# Altium PCB spin5v1_simple.PcbDoc (part 24 of 25)
Units mm, origin at the board's own origin, x right, y up, seen from the top; angles counter-clockwise.
Board outline 220.03 x 233.43 mm, 2 copper layers (TOP, BOTTOM), stack 0.176 mm thick; 1457 components, 4724 nets, 19245 pads, 25289 vias.
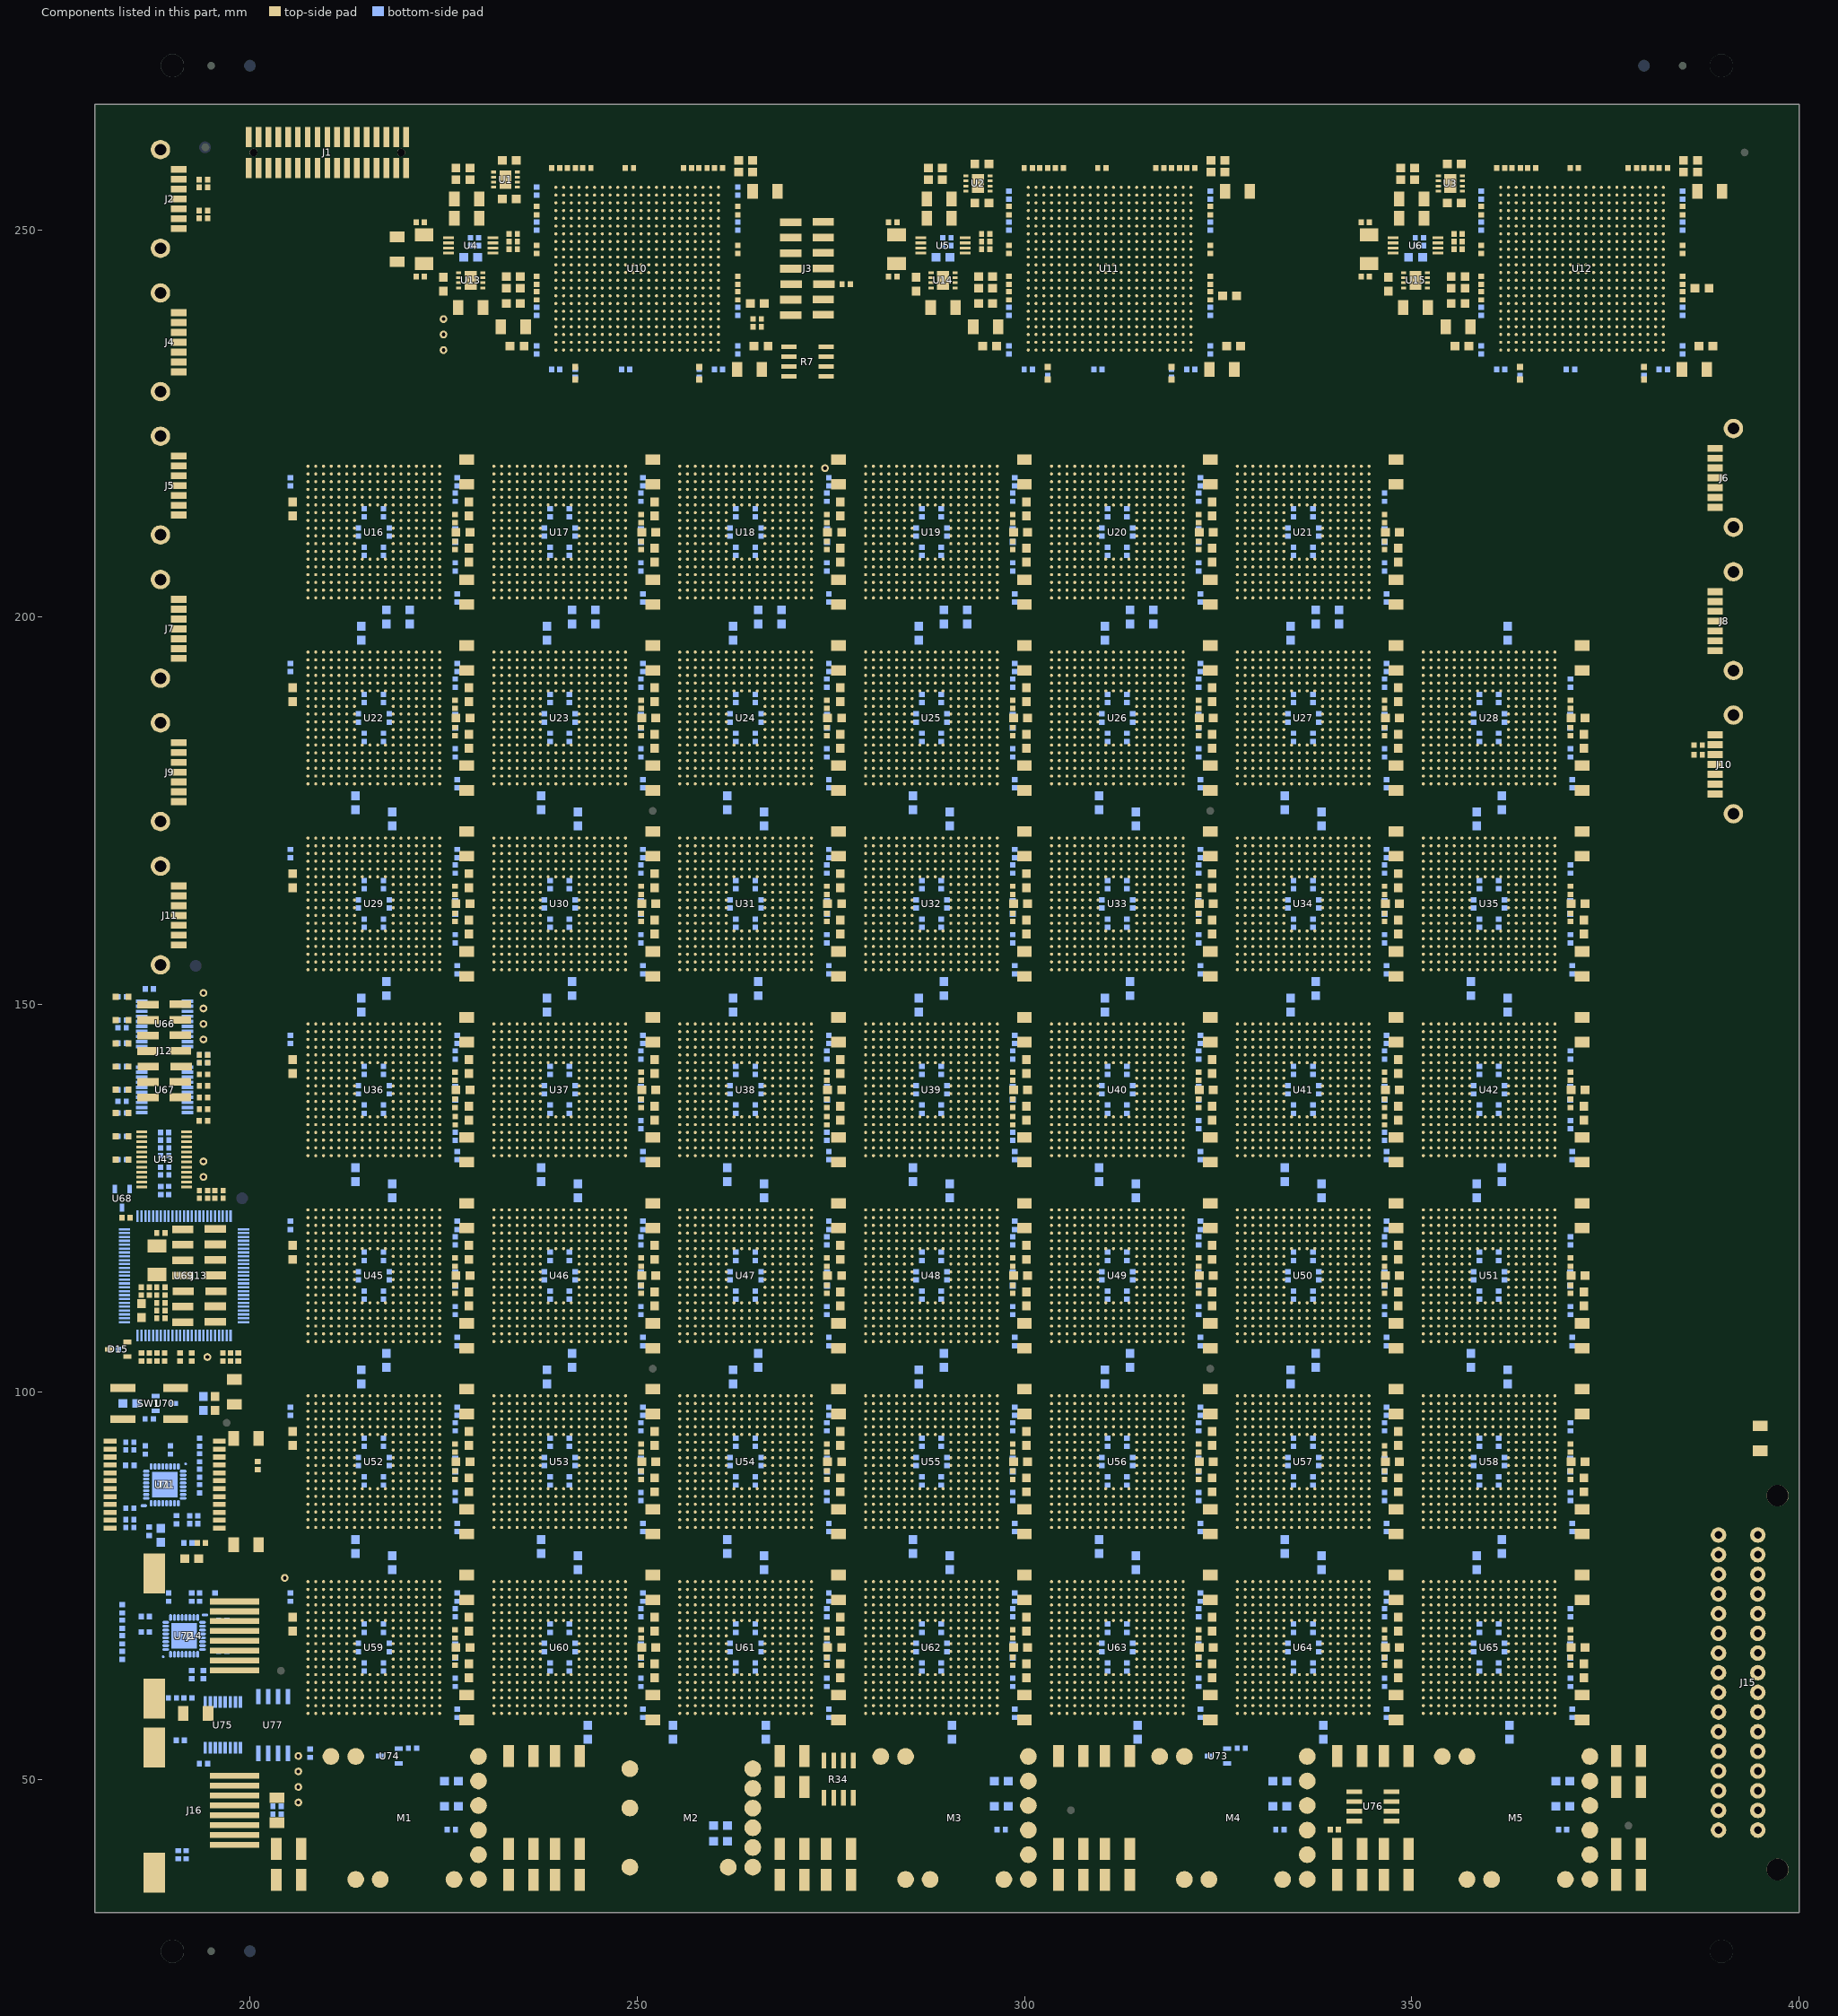
[diagram p24: the components of this part, seen from the top]

## Via types
v1: diameter 0.48, hole 0.25, TOP to BOTTOM, 22348 vias
v2: diameter 0.61, hole 0.3, TOP to BOTTOM, 2059 vias
v3: diameter 0.8, hole 0, TOP to BOTTOM, 882 vias

## Nets (pads, with @x,y where several pads share a name; then routed paths per layer and width w, separated by ;. In a path a pad name is that pad's centre, name@x,y a point inside that pad or via, vN(x,y) a via of type N, cw(c..) or ccw(c..) an arc to the next point about the centre after c; other vN are vias at no path point) (continued)
copper on no net: (continued)
  other v1: 215.51,53 207,58 208,58 224,58 231,58 232,58 248,58 256,58 272,58 279,58 280,58 296,58 303,58 304,58 320,58 327,58 328,58 344,58 351,58 352,58 368,58 207,59 208,59 209,59 223,59 231,59 232,59 233,59 247,59 255,59 256,59 257,59 271,59 279,59 280,59 281,59 295,59 303,59 304,59 305,59 319,59 327,59 328,59 329,59 343,59 351,59 352,59 353,59 367,59 207,60 208,60 209,60 231,60 232,60 233,60 255,60 256,60 257,60 279,60 280,60 281,60 303,60 304,60 305,60 327,60 328,60 329,60 351,60 352,60 353,60 207,61 208,61 209,61 210,61 222,61 231,61 232,61 233,61 234,61 246,61 255,61 256,61 257,61 258,61 270,61 279,61 280,61 281,61 282,61 294,61 303,61 304,61 305,61 306,61 318,61 327,61 328,61 329,61 330,61 342,61 351,61 352,61 353,61 354,61 366,61 207,62 208,62 209,62 210,62 222,62 231,62 232,62 233,62 234,62 246,62 255,62 256,62 257,62 258,62 270,62 279,62 280,62 281,62 282,62 294,62 303,62 304,62 305,62 306,62 318,62 327,62 328,62 329,62 330,62 342,62 351,62 352,62 353,62 354,62 366,62 207,63 208,63 209,63 210,63 231,63 232,63 233,63 234,63 255,63 256,63 257,63 258,63 279,63 280,63 281,63 282,63 303,63 304,63 305,63 306,63 327,63 328,63 329,63 330,63 351,63 352,63 353,63 354,63 207,64 208,64 209,64 210,64 231,64 232,64 233,64 234,64 255,64 256,64 257,64 258,64 279,64 280,64 281,64 282,64 303,64 304,64 305,64 306,64 327,64 328,64 329,64 330,64 351,64 352,64 353,64 354,64 207,65 208,65 209,65 210,65 231,65 232,65 233,65 234,65 255,65 256,65 257,65 258,65 279,65 280,65 281,65 282,65 303,65 304,65 305,65 306,65 327,65 328,65 329,65 330,65 351,65 352,65 353,65 354,65 207,66 208,66 209,66 210,66 231,66 232,66 233,66 234,66 255,66 256,66 257,66 258,66 279,66 280,66 281,66 282,66 303,66 304,66 305,66 306,66 327,66 328,66 329,66 330,66 351,66 352,66 353,66 354,66 207,68 208,68 209,68 210,68 222,68 231,68 232,68 233,68 234,68 246,68 255,68 256,68 257,68 258,68 270,68 279,68 280,68 281,68 282,68 294,68 303,68 304,68 305,68 306,68 318,68 327,68 328,68 329,68 330,68 342,68 351,68 352,68 353,68 354,68 366,68 207,69 208,69 209,69 210,69 231,69 232,69 233,69 234,69 255,69 256,69 257,69 258,69 279,69 280,69 281,69 282,69 303,69 304,69 305,69 306,69 327,69 328,69 329,69 330,69 351,69 352,69 353,69 354,69 207,70 208,70 209,70 210,70 225,70 231,70 232,70 233,70 234,70 249,70 255,70 256,70 257,70 258,70 273,70 279,70 280,70 281,70 282,70 297,70 303,70 304,70 305,70 306,70 321,70 327,70 328,70 329,70 330,70 345,70 351,70 352,70 353,70 354,70 369,70 207,71 208,71 209,71 210,71 222,71 231,71 232,71 233,71 234,71 246,71 255,71 256,71 257,71 258,71 270,71 279,71 280,71 281,71 282,71 294,71 303,71 304,71 305,71 306,71 318,71 327,71 328,71 329,71 330,71 342,71 351,71 352,71 353,71 354,71 366,71 207,72 208,72 209,72 210,72 222,72 231,72 232,72 233,72 234,72 246,72 255,72 256,72 257,72 258,72 270,72 279,72 280,72 281,72 282,72 294,72 303,72 304,72 305,72 306,72 318,72 327,72 328,72 329,72 330,72 342,72 351,72 352,72 353,72 354,72 366,72 207,73 208,73 209,73 210,73 222,73 231,73 232,73 233,73 234,73 246,73 255,73 256,73 257,73 258,73 270,73 279,73 280,73 281,73 282,73 294,73 303,73 304,73 305,73 306,73 318,73 327,73 328,73 329,73 330,73 342,73 351,73 352,73 353,73 354,73 366,73 207,74 208,74 209,74 231,74 232,74 233,74 255,74 256,74 257,74 279,74 280,74 281,74 303,74 304,74 305,74 327,74 328,74 329,74 351,74 352,74 353,74 207,75 208,75 209,75 231,75 232,75 233,75 255,75 256,75 257,75 279,75 280,75 281,75 303,75 304,75 305,75 327,75 328,75 329,75 351,75 352,75 353,75 207,76 208,76 231,76 232,76 255,76 256,76 279,76 280,76 303,76 304,76 327,76 328,76 351,76 352,76 207,82 208,82 224,82 231,82 232,82 248,82 255,82 256,82 272,82 279,82 280,82 296,82 303,82 304,82 320,82 327,82 328,82 344,82 351,82 352,82 368,82 183.142,82.5 207,83 208,83 209,83 223,83 231,83 232,83 233,83 247,83 255,83 256,83 257,83 271,83 279,83 280,83 281,83 295,83 303,83 304,83 305,83 319,83 327,83 328,83 329,83 343,83 351,83 352,83 353,83 367,83 207,84 208,84 209,84 231,84 232,84 233,84 255,84 256,84 257,84 279,84 280,84 281,84 303,84 304,84 305,84 327,84 328,84 329,84 351,84 352,84 353,84 186.042,84.137 207,85 208,85 209,85 210,85 222,85 231,85 232,85 233,85 234,85 246,85 255,85 256,85 257,85 258,85 270,85 279,85 280,85 281,85 282,85 294,85 303,85 304,85 305,85 306,85 318,85 327,85 328,85 329,85 330,85 342,85 351,85 352,85 353,85 354,85 366,85 207,86 208,86 209,86 210,86 222,86 231,86 232,86 233,86 234,86 246,86 255,86 256,86 257,86 258,86 270,86 279,86 280,86 281,86 282,86 294,86 303,86 304,86 305,86 306,86 318,86 327,86 328,86 329,86 330,86 342,86 351,86 352,86 353,86 354,86 366,86 183.142,86.49 207,87 208,87 209,87 210,87 231,87 232,87 233,87 234,87 255,87 256,87 257,87 258,87 279,87 280,87 281,87 282,87 303,87 304,87 305,87 306,87 327,87 328,87 329,87 330,87 351,87 352,87 353,87 354,87 207,88 208,88 209,88 210,88 231,88 232,88 233,88 234,88 255,88 256,88 257,88 258,88 279,88 280,88 281,88 282,88 303,88 304,88 305,88 306,88 327,88 328,88 329,88 330,88 351,88 352,88 353,88 354,88 207,89 208,89 209,89 210,89 231,89 232,89 233,89 234,89 255,89 256,89 257,89 258,89 279,89 280,89 281,89 282,89 303,89 304,89 305,89 306,89 327,89 328,89 329,89 330,89 351,89 352,89 353,89 354,89 183.142,89.503 194.858,89.55 207,90 208,90 209,90 210,90 231,90 232,90 233,90 234,90 255,90 256,90 257,90 258,90 279,90 280,90 281,90 282,90 303,90 304,90 305,90 306,90 327,90 328,90 329,90 330,90 351,90 352,90 353,90 354,90 207,92 208,92 209,92 210,92 222,92 231,92 232,92 233,92 234,92 246,92 255,92 256,92 257,92 258,92 270,92 279,92 280,92 281,92 282,92 294,92 303,92 304,92 305,92 306,92 318,92 327,92 328,92 329,92 330,92 342,92 351,92 352,92 353,92 354,92 366,92 183.142,92.931 207,93 208,93 209,93 210,93 231,93 232,93 233,93 234,93 255,93 256,93 257,93 258,93 279,93 280,93 281,93 282,93 303,93 304,93 305,93 306,93 327,93 328,93 329,93 330,93 351,93 352,93 353,93 354,93 207,94 208,94 209,94 210,94 225,94 231,94 232,94 233,94 234,94 249,94 255,94 256,94 257,94 258,94 273,94 279,94 280,94 281,94 282,94 297,94 303,94 304,94 305,94 306,94 321,94 327,94 328,94 329,94 330,94 345,94 351,94 352,94 353,94 354,94 369,94 207,95 208,95 209,95 210,95 222,95 231,95 232,95 233,95 234,95 246,95 255,95 256,95 257,95 258,95 270,95 279,95 280,95 281,95 282,95 294,95 303,95 304,95 305,95 306,95 318,95 327,95 328,95 329,95 330,95 342,95 351,95 352,95 353,95 354,95 366,95 207,96 208,96 209,96 210,96 222,96 231,96 232,96 233,96 234,96 246,96 255,96 256,96 257,96 258,96 270,96 279,96 280,96 281,96 282,96 294,96 303,96 304,96 305,96 306,96 318,96 327,96 328,96 329,96 330,96 342,96 351,96 352,96 353,96 354,96 366,96 207,97 208,97 209,97 210,97 222,97 231,97 232,97 233,97 234,97 246,97 255,97 256,97 257,97 258,97 270,97 279,97 280,97 281,97 282,97 294,97 303,97 304,97 305,97 306,97 318,97 327,97 328,97 329,97 330,97 342,97 351,97 352,97 353,97 354,97 366,97 207,98 208,98 209,98 231,98 232,98 233,98 255,98 256,98 257,98 279,98 280,98 281,98 303,98 304,98 305,98 327,98 328,98 329,98 351,98 352,98 353,98 188.418,98.5 207,99 208,99 209,99 231,99 232,99 233,99 255,99 256,99 257,99 279,99 280,99 281,99 303,99 304,99 305,99 327,99 328,99 329,99 351,99 352,99 353,99 207,100 208,100 231,100 232,100 255,100 256,100 279,100 280,100 303,100 304,100 327,100 328,100 351,100 352,100 181.696,102.1 207,106 208,106 224,106 231,106 232,106 248,106 255,106 256,106 272,106 279,106 280,106 296,106 303,106 304,106 320,106 327,106 328,106 344,106 351,106 352,106 368,106 207,107 208,107 209,107 223,107 231,107 232,107 233,107 247,107 255,107 256,107 257,107 271,107 279,107 280,107 281,107 295,107 303,107 304,107 305,107 319,107 327,107 328,107 329,107 343,107 351,107 352,107 353,107 367,107 207,108 208,108 209,108 231,108 232,108 233,108 255,108 256,108 257,108 279,108 280,108 281,108 303,108 304,108 305,108 327,108 328,108 329,108 351,108 352,108 353,108 207,109 208,109 209,109 210,109 222,109 231,109 232,109 233,109 234,109 246,109 255,109 256,109 257,109 258,109 270,109 279,109 280,109 281,109 282,109 294,109 303,109 304,109 305,109 306,109 318,109 327,109 328,109 329,109 330,109 342,109 351,109 352,109 353,109 354,109 366,109 207,110 208,110 209,110 210,110 222,110 231,110 232,110 233,110 234,110 246,110 255,110 256,110 257,110 258,110 270,110 279,110 280,110 281,110 282,110 294,110 303,110 304,110 305,110 306,110 318,110 327,110 328,110 329,110 330,110 342,110 351,110 352,110 353,110 354,110 366,110 207,111 208,111 209,111 210,111 231,111 232,111 233,111 234,111 255,111 256,111 257,111 258,111 279,111 280,111 281,111 282,111 303,111 304,111 305,111 306,111 327,111 328,111 329,111 330,111 351,111 352,111 353,111 354,111 207,112 208,112 209,112 210,112 231,112 232,112 233,112 234,112 255,112 256,112 257,112 258,112 279,112 280,112 281,112 282,112 303,112 304,112 305,112 306,112 327,112 328,112 329,112 330,112 351,112 352,112 353,112 354,112 207,113 208,113 209,113 210,113 231,113 232,113 233,113 234,113 255,113 256,113 257,113 258,113 279,113 280,113 281,113 282,113 303,113 304,113 305,113 306,113 327,113 328,113 329,113 330,113 351,113 352,113 353,113 354,113 207,114 208,114 209,114 210,114 231,114 232,114 233,114 234,114 255,114 256,114 257,114 258,114 279,114 280,114 281,114 282,114 303,114 304,114 305,114 306,114 327,114 328,114 329,114 330,114 351,114 352,114 353,114 354,114 207,116 208,116 209,116 210,116 222,116 231,116 232,116 233,116 234,116 246,116 255,116 256,116 257,116 258,116 270,116 279,116 280,116 281,116 282,116 294,116 303,116 304,116 305,116 306,116 318,116 327,116 328,116 329,116 330,116 342,116 351,116 352,116 353,116 354,116 366,116 207,117 208,117 209,117 210,117 231,117 232,117 233,117 234,117 255,117 256,117 257,117 258,117 279,117 280,117 281,117 282,117 303,117 304,117 305,117 306,117 327,117 328,117 329,117 330,117 351,117 352,117 353,117 354,117 207,118 208,118 209,118 210,118 225,118 231,118 232,118 233,118 234,118 249,118 255,118 256,118 257,118 258,118 273,118 279,118 280,118 281,118 282,118 297,118 303,118 304,118 305,118 306,118 321,118 327,118 328,118 329,118 330,118 345,118 351,118 352,118 353,118 354,118 369,118 207,119 208,119 209,119 210,119 222,119 231,119 232,119 233,119 234,119 246,119 255,119 256,119 257,119 258,119 270,119 279,119 280,119 281,119 282,119 294,119 303,119 304,119 305,119 306,119 318,119 327,119 328,119 329,119 330,119 342,119 351,119 352,119 353,119 354,119 366,119 207,120 208,120 209,120 210,120 222,120 231,120 232,120 233,120 234,120 246,120 255,120 256,120 257,120 258,120 270,120 279,120 280,120 281,120 282,120 294,120 303,120 304,120 305,120 306,120 318,120 327,120 328,120 329,120 330,120 342,120 351,120 352,120 353,120 354,120 366,120 207,121 208,121 209,121 210,121 222,121 231,121 232,121 233,121 234,121 246,121 255,121 256,121 257,121 258,121 270,121 279,121 280,121 281,121 282,121 294,121 303,121 304,121 305,121 306,121 318,121 327,121 328,121 329,121 330,121 342,121 351,121 352,121 353,121 354,121 366,121 207,122 208,122 209,122 231,122 232,122 233,122 255,122 256,122 257,122 279,122 280,122 281,122 303,122 304,122 305,122 327,122 328,122 329,122 351,122 352,122 353,122 207,123 208,123 209,123 231,123 232,123 233,123 255,123 256,123 257,123 279,123 280,123 281,123 303,123 304,123 305,123 327,123 328,123 329,123 351,123 352,123 353,123 207,124 208,124 231,124 232,124 255,124 256,124 279,124 280,124 303,124 304,124 327,124 328,124 351,124 352,124 207,130 208,130 224,130 231,130 232,130 248,130 255,130 256,130 272,130 279,130 280,130 296,130 303,130 304,130 320,130 327,130 328,130 344,130 351,130 352,130 368,130 207,131 208,131 209,131 223,131 231,131 232,131 233,131 247,131 255,131 256,131 257,131 271,131 279,131 280,131 281,131 295,131 303,131 304,131 305,131 319,131 327,131 328,131 329,131 343,131 351,131 352,131 353,131 367,131 207,132 208,132 209,132 231,132 232,132 233,132 255,132 256,132 257,132 279,132 280,132 281,132 303,132 304,132 305,132 327,132 328,132 329,132 351,132 352,132 353,132 207,133 208,133 209,133 210,133 222,133 231,133 232,133 233,133 234,133 246,133 255,133 256,133 257,133 258,133 270,133 279,133 280,133 281,133 282,133 294,133 303,133 304,133 305,133 306,133 318,133 327,133 328,133 329,133 330,133 342,133 351,133 352,133 353,133 354,133 366,133 207,134 208,134 209,134 210,134 222,134 231,134 232,134 233,134 234,134 246,134 255,134 256,134 257,134 258,134 270,134 279,134 280,134 281,134 282,134 294,134 303,134 304,134 305,134 306,134 318,134 327,134 328,134 329,134 330,134 342,134 351,134 352,134 353,134 354,134 366,134 207,135 208,135 209,135 210,135 231,135 232,135 233,135 234,135 255,135 256,135 257,135 258,135 279,135 280,135 281,135 282,135 303,135 304,135 305,135 306,135 327,135 328,135 329,135 330,135 351,135 352,135 353,135 354,135 207,136 208,136 209,136 210,136 231,136 232,136 233,136 234,136 255,136 256,136 257,136 258,136 279,136 280,136 281,136 282,136 303,136 304,136 305,136 306,136 327,136 328,136 329,136 330,136 351,136 352,136 353,136 354,136 207,137 208,137 209,137 210,137 231,137 232,137 233,137 234,137 255,137 256,137 257,137 258,137 279,137 280,137 281,137 282,137 303,137 304,137 305,137 306,137 327,137 328,137 329,137 330,137 351,137 352,137 353,137 354,137 207,138 208,138 209,138 210,138 231,138 232,138 233,138 234,138 255,138 256,138 257,138 258,138 279,138 280,138 281,138 282,138 303,138 304,138 305,138 306,138 327,138 328,138 329,138 330,138 351,138 352,138 353,138 354,138 207,140 208,140 209,140 210,140 222,140 231,140 232,140 233,140 234,140 246,140 255,140 256,140 257,140 258,140 270,140 279,140 280,140 281,140 282,140 294,140 303,140 304,140 305,140 306,140 318,140 327,140 328,140 329,140 330,140 342,140 351,140 352,140 353,140 354,140 366,140 207,141 208,141 209,141 210,141 231,141 232,141 233,141 234,141 255,141 256,141 257,141 258,141 279,141 280,141 281,141 282,141 303,141 304,141 305,141 306,141 327,141 328,141 329,141 330,141 351,141 352,141 353,141 354,141 207,142 208,142 209,142 210,142 225,142 231,142 232,142 233,142 234,142 249,142 255,142 256,142 257,142 258,142 273,142 279,142 280,142 281,142 282,142 297,142 303,142 304,142 305,142 306,142 321,142 327,142 328,142 329,142 330,142 345,142 351,142 352,142 353,142 354,142 369,142 207,143 208,143 209,143 210,143 222,143 231,143 232,143 233,143 234,143 246,143 255,143 256,143 257,143 258,143 270,143 279,143 280,143 281,143 282,143 294,143 303,143 304,143 305,143 306,143 318,143 327,143 328,143 329,143 330,143 342,143 351,143 352,143 353,143 354,143 366,143 207,144 208,144 209,144 210,144 222,144 231,144 232,144 233,144 234,144 246,144 255,144 256,144 257,144 258,144 270,144 279,144 280,144 281,144 282,144 294,144 303,144 304,144 305,144 306,144 318,144 327,144 328,144 329,144 330,144 342,144 351,144 352,144 353,144 354,144 366,144 207,145 208,145 209,145 210,145 222,145 231,145 232,145 233,145 234,145 246,145 255,145 256,145 257,145 258,145 270,145 279,145 280,145 281,145 282,145 294,145 303,145 304,145 305,145 306,145 318,145 327,145 328,145 329,145 330,145 342,145 351,145 352,145 353,145 354,145 366,145 207,146 208,146 209,146 231,146 232,146 233,146 255,146 256,146 257,146 279,146 280,146 281,146 303,146 304,146 305,146 327,146 328,146 329,146 351,146 352,146 353,146 207,147 208,147 209,147 231,147 232,147 233,147 255,147 256,147 257,147 279,147 280,147 281,147 303,147 304,147 305,147 327,147 328,147 329,147 351,147 352,147 353,147 207,148 208,148 231,148 232,148 255,148 256,148 279,148 280,148 303,148 304,148 327,148 328,148 351,148 352,148 207,154 208,154 224,154 231,154 232,154 248,154 255,154 256,154 272,154 279,154 280,154 296,154 303,154 304,154 320,154 327,154 328,154 344,154 351,154 352,154 368,154 207,155 208,155 209,155 223,155 231,155 232,155 233,155 247,155 255,155 256,155 257,155 271,155 279,155 280,155 281,155 295,155 303,155 304,155 305,155 319,155 327,155 328,155 329,155 343,155 351,155 352,155 353,155 367,155 207,156 208,156 209,156 231,156 232,156 233,156 255,156 256,156 257,156 279,156 280,156 281,156 303,156 304,156 305,156 327,156 328,156 329,156 351,156 352,156 353,156 207,157 208,157 209,157 210,157 222,157 231,157 232,157 233,157 234,157 246,157 255,157 256,157 257,157 258,157 270,157 279,157 280,157 281,157 282,157 294,157 303,157 304,157 305,157 306,157 318,157 327,157 328,157 329,157 330,157 342,157 351,157 352,157 353,157 354,157 366,157 207,158 208,158 209,158 210,158 222,158 231,158 232,158 233,158 234,158 246,158 255,158 256,158 257,158 258,158 270,158 279,158 280,158 281,158 282,158 294,158 303,158 304,158 305,158 306,158 318,158 327,158 328,158 329,158 330,158 342,158 351,158 352,158 353,158 354,158 366,158 207,159 208,159 209,159 210,159 231,159 232,159 233,159 234,159 255,159 256,159 257,159 258,159 279,159 280,159 281,159 282,159 303,159 304,159 305,159 306,159 327,159 328,159 329,159 330,159 351,159 352,159 353,159 354,159 207,160 208,160 209,160 210,160 231,160 232,160 233,160 234,160 255,160 256,160 257,160 258,160 279,160 280,160 281,160 282,160 303,160 304,160 305,160 306,160 327,160 328,160 329,160 330,160 351,160 352,160 353,160 354,160 207,161 208,161 209,161 210,161 231,161 232,161 233,161 234,161 255,161 256,161 257,161 258,161 279,161 280,161 281,161 282,161 303,161 304,161 305,161 306,161 327,161 328,161 329,161 330,161 351,161 352,161 353,161 354,161 207,162 208,162 209,162 210,162 231,162 232,162 233,162 234,162 255,162 256,162 257,162 258,162 279,162 280,162 281,162 282,162 303,162 304,162 305,162 306,162 327,162 328,162 329,162 330,162 351,162 352,162 353,162 354,162 207,164 208,164 209,164 210,164 222,164 231,164 232,164 233,164 234,164 246,164 255,164 256,164 257,164 258,164 270,164 279,164 280,164 281,164 282,164 294,164 303,164 304,164 305,164 306,164 318,164 327,164 328,164 329,164 330,164 342,164 351,164 352,164 353,164 354,164 366,164 207,165 208,165 209,165 210,165 231,165 232,165 233,165 234,165 255,165 256,165 257,165 258,165 279,165 280,165 281,165 282,165 303,165 304,165 305,165 306,165 327,165 328,165 329,165 330,165 351,165 352,165 353,165 354,165 207,166 208,166 209,166 210,166 225,166 231,166 232,166 233,166 234,166 249,166 255,166 256,166 257,166 258,166 273,166 279,166 280,166 281,166 282,166 297,166 303,166 304,166 305,166 306,166 321,166 327,166 328,166 329,166 330,166 345,166 351,166 352,166 353,166 354,166 369,166 207,167 208,167 209,167 210,167 222,167 231,167 232,167 233,167 234,167 246,167 255,167 256,167 257,167 258,167 270,167 279,167 280,167 281,167 282,167 294,167 303,167 304,167 305,167 306,167 318,167 327,167 328,167 329,167 330,167 342,167 351,167 352,167 353,167 354,167 366,167 207,168 208,168 209,168 210,168 222,168 231,168 232,168 233,168 234,168 246,168 255,168 256,168 257,168 258,168 270,168 279,168 280,168 281,168 282,168 294,168 303,168 304,168 305,168 306,168 318,168 327,168 328,168 329,168 330,168 342,168 351,168 352,168 353,168 354,168 366,168 207,169 208,169 209,169 210,169 222,169 231,169 232,169 233,169 234,169 246,169 255,169 256,169 257,169 258,169 270,169 279,169 280,169 281,169 282,169 294,169 303,169 304,169 305,169 306,169 318,169 327,169 328,169 329,169 330,169 342,169 351,169 352,169 353,169 354,169 366,169 207,170 208,170 209,170 231,170 232,170 233,170 255,170 256,170 257,170 279,170 280,170 281,170 303,170 304,170 305,170 327,170 328,170 329,170 351,170 352,170 353,170 207,171 208,171 209,171 231,171 232,171 233,171 255,171 256,171 257,171 279,171 280,171 281,171 303,171 304,171 305,171 327,171 328,171 329,171 351,171 352,171 353,171 207,172 208,172 231,172 232,172 255,172 256,172 279,172 280,172 303,172 304,172 327,172 328,172 351,172 352,172 207,178 208,178 224,178 231,178 232,178 248,178 255,178 256,178 272,178 279,178 280,178 296,178 303,178 304,178 320,178 327,178 328,178 344,178 351,178 352,178 368,178 207,179 208,179 209,179 223,179 231,179 232,179 233,179 247,179 255,179 256,179 257,179 271,179 279,179 280,179 281,179 295,179 303,179 304,179 305,179 319,179 327,179 328,179 329,179 343,179 351,179 352,179 353,179 367,179 207,180 208,180 209,180 231,180 232,180 233,180 255,180 256,180 257,180 279,180 280,180 281,180 303,180 304,180 305,180 327,180 328,180 329,180 351,180 352,180 353,180 207,181 208,181 209,181 210,181 222,181 231,181 232,181 233,181 234,181 246,181 255,181 256,181 257,181 258,181 270,181 279,181 280,181 281,181 282,181 294,181 303,181 304,181 305,181 306,181 318,181 327,181 328,181 329,181 330,181 342,181 351,181 352,181 353,181 354,181 366,181 207,182 208,182 209,182 210,182 222,182 231,182 232,182 233,182 234,182 246,182 255,182 256,182 257,182 258,182 270,182 279,182 280,182 281,182 282,182 294,182 303,182 304,182 305,182 306,182 318,182 327,182 328,182 329,182 330,182 342,182 351,182 352,182 353,182 354,182 366,182 207,183 208,183 209,183 210,183 231,183 232,183 233,183 234,183 255,183 256,183 257,183 258,183 279,183 280,183 281,183 282,183 303,183 304,183 305,183 306,183 327,183 328,183 329,183 330,183 351,183 352,183 353,183 354,183 207,184 208,184 209,184 210,184 231,184 232,184 233,184 234,184 255,184 256,184 257,184 258,184 279,184 280,184 281,184 282,184 303,184 304,184 305,184 306,184 327,184 328,184 329,184 330,184 351,184 352,184 353,184 354,184 207,185 208,185 209,185 210,185 231,185 232,185 233,185 234,185 255,185 256,185 257,185 258,185 279,185 280,185 281,185 282,185 303,185 304,185 305,185 306,185 327,185 328,185 329,185 330,185 351,185 352,185 353,185 354,185 207,186 208,186 209,186 210,186 231,186 232,186 233,186 234,186 255,186 256,186 257,186 258,186 279,186 280,186 281,186 282,186 303,186 304,186 305,186 306,186 327,186 328,186 329,186 330,186 351,186 352,186 353,186 354,186 207,188 208,188 209,188 210,188 222,188 231,188 232,188 233,188 234,188 246,188 255,188 256,188 257,188 258,188 270,188 279,188 280,188 281,188 282,188 294,188 303,188 304,188 305,188 306,188 318,188 327,188 328,188 329,188 330,188 342,188 351,188 352,188 353,188 354,188 366,188 207,189 208,189 209,189 210,189 231,189 232,189 233,189 234,189 255,189 256,189 257,189 258,189 279,189 280,189 281,189 282,189 303,189 304,189 305,189 306,189 327,189 328,189 329,189 330,189 351,189 352,189 353,189 354,189 207,190 208,190 209,190 210,190 225,190 231,190 232,190 233,190 234,190 249,190 255,190 256,190 257,190 258,190 273,190 279,190 280,190 281,190 282,190 297,190 303,190 304,190 305,190 306,190 321,190 327,190 328,190 329,190 330,190 345,190 351,190 352,190 353,190 354,190 369,190 207,191 208,191 209,191 210,191 222,191 231,191 232,191 233,191 234,191 246,191 255,191 256,191 257,191 258,191 270,191 279,191 280,191 281,191 282,191 294,191 303,191 304,191 305,191 306,191 318,191 327,191 328,191 329,191 330,191 342,191 351,191 352,191 353,191 354,191 366,191 207,192 208,192 209,192 210,192 222,192 231,192 232,192 233,192 234,192 246,192 255,192 256,192 257,192 258,192 270,192 279,192 280,192 281,192 282,192 294,192 303,192 304,192 305,192 306,192 318,192 327,192 328,192 329,192 330,192 342,192 351,192 352,192 353,192 354,192 366,192 207,193 208,193 209,193 210,193 222,193 231,193 232,193 233,193 234,193 246,193 255,193 256,193 257,193 258,193 270,193 279,193 280,193 281,193 282,193 294,193 303,193 304,193 305,193 306,193 318,193 327,193 328,193 329,193 330,193 342,193 351,193 352,193 353,193 354,193 366,193 207,194 208,194 209,194 231,194 232,194 233,194 255,194 256,194 257,194 279,194 280,194 281,194 303,194 304,194 305,194 327,194 328,194 329,194 351,194 352,194 353,194 207,195 208,195 209,195 231,195 232,195 233,195 255,195 256,195 257,195 279,195 280,195 281,195 303,195 304,195 305,195 327,195 328,195 329,195 351,195 352,195 353,195 207,196 208,196 231,196 232,196 255,196 256,196 279,196 280,196 303,196 304,196 327,196 328,196 351,196 352,196 207,202 208,202 224,202 231,202 232,202 248,202 255,202 256,202 272,202 279,202 280,202 296,202 303,202 304,202 320,202 327,202 328,202 344,202 207,203 208,203 209,203 223,203 231,203 232,203 233,203 247,203 255,203 256,203 257,203 271,203 279,203 280,203 281,203 295,203 303,203 304,203 305,203 319,203 327,203 328,203 329,203 343,203 207,204 208,204 209,204 231,204 232,204 233,204 255,204 256,204 257,204 279,204 280,204 281,204 303,204 304,204 305,204 327,204 328,204 329,204 207,205 208,205 209,205 210,205 222,205 231,205 232,205 233,205 234,205 246,205 255,205 256,205 257,205 258,205 270,205 279,205 280,205 281,205 282,205 294,205 303,205 304,205 305,205 306,205 318,205 327,205 328,205 329,205 330,205 342,205 207,206 208,206 209,206 210,206 222,206 231,206 232,206 233,206 234,206 246,206 255,206 256,206 257,206 258,206 270,206 279,206 280,206 281,206 282,206 294,206 303,206 304,206 305,206 306,206 318,206 327,206 328,206 329,206 330,206 342,206 207,207 208,207 209,207 210,207 231,207 232,207 233,207 234,207 255,207 256,207 257,207 258,207 279,207 280,207 281,207 282,207 303,207 304,207 305,207 306,207 327,207 328,207 329,207 330,207 207,208 208,208 209,208 210,208 231,208 232,208 233,208 234,208 255,208 256,208 257,208 258,208 279,208 280,208 281,208 282,208 303,208 304,208 305,208 306,208 327,208 328,208 329,208 330,208 207,209 208,209 209,209 210,209 231,209 232,209 233,209 234,209 255,209 256,209 257,209 258,209 279,209 280,209 281,209 282,209 303,209 304,209 305,209 306,209 327,209 328,209 329,209 330,209 207,210 208,210 209,210 210,210 231,210 232,210 233,210 234,210 255,210 256,210 257,210 258,210 279,210 280,210 281,210 282,210 303,210 304,210 305,210 306,210 327,210 328,210 329,210 330,210 207,212 208,212 209,212 210,212 222,212 231,212 232,212 233,212 234,212 246,212 255,212 256,212 257,212 258,212 270,212 279,212 280,212 281,212 282,212 294,212 303,212 304,212 305,212 306,212 318,212 327,212 328,212 329,212 330,212 342,212 207,213 208,213 209,213 210,213 231,213 232,213 233,213 234,213 255,213 256,213 257,213 258,213 279,213 280,213 281,213 282,213 303,213 304,213 305,213 306,213 327,213 328,213 329,213 330,213 207,214 208,214 209,214 210,214 225,214 231,214 232,214 233,214 234,214 249,214 255,214 256,214 257,214 258,214 273,214 279,214 280,214 281,214 282,214 297,214 303,214 304,214 305,214 306,214 321,214 327,214 328,214 329,214 330,214 345,214 207,215 208,215 209,215 210,215 222,215 231,215 232,215 233,215 234,215 246,215 255,215 256,215 257,215 258,215 270,215 279,215 280,215 281,215 282,215 294,215 303,215 304,215 305,215 306,215 318,215 327,215 328,215 329,215 330,215 342,215 207,216 208,216 209,216 210,216 222,216 231,216 232,216 233,216 234,216 246,216 255,216 256,216 257,216 258,216 270,216 279,216 280,216 281,216 282,216 294,216 303,216 304,216 305,216 306,216 318,216 327,216 328,216 329,216 330,216 342,216 207,217 208,217 209,217 210,217 222,217 231,217 232,217 233,217 234,217 246,217 255,217 256,217 257,217 258,217 270,217 279,217 280,217 281,217 282,217 294,217 303,217 304,217 305,217 306,217 318,217 327,217 328,217 329,217 330,217 342,217 207,218 208,218 209,218 231,218 232,218 233,218 255,218 256,218 257,218 279,218 280,218 281,218 303,218 304,218 305,218 327,218 328,218 329,218 207,219 208,219 209,219 231,219 232,219 233,219 255,219 256,219 257,219 279,219 280,219 281,219 303,219 304,219 305,219 327,219 328,219 329,219 207,220 208,220 231,220 232,220 255,220 256,220 279,220 280,220 303,220 304,220 327,220 328,220 257,238 259,238 318,238 320,238 379,238 381,238 256,239 317,239 378,239 255,240 316,240 377,240 254,242 315,242 376,242 248,249 249,249 251,249 252,249 253,249 309,249 310,249 312,249 313,249 314,249 370,249 371,249 373,249 374,249 375,249 246,250 247,250 249,250 252,250 254,250 307,250 308,250 310,250 313,250 315,250 368,250 369,250 371,250 374,250 376,250 245,251 246,251 247,251 248,251 251,251 253,251 254,251 255,251 306,251 307,251 308,251 309,251 312,251 314,251 315,251 316,251 367,251 368,251 369,251 370,251 373,251 375,251 376,251 377,251 243,252 244,252 251,252 255,252 304,252 305,252 312,252 316,252 365,252 366,252 373,252 377,252 243,253 249,253 256,253 304,253 310,253 317,253 365,253 371,253 378,253 242,254 243,254 249,254 256,254 303,254 304,254 310,254 317,254 364,254 365,254 371,254 378,254
  other v3: 182.401,36.401 184.401,36.401 209.019,36.401 209.175,36.401 221.019,36.401 221.175,36.401 223.019,36.401 223.175,36.401 245.019,36.401 246.267,36.401 252.267,36.401 254.267,36.401 256.267,36.401 291.056,36.401 291.297,36.401 293.056,36.401 293.297,36.401 317.4,36.401 327.056,36.401 327.4,36.401 329.056,36.401 329.4,36.401 352.027,36.401 352.678,36.401 354.027,36.401 363.556,36.401 363.645,36.401 365.556,36.401 365.645,36.401 393.545,36.401 267.288,38.27 183.401,38.401 185.401,38.401 208.019,38.401 210.019,38.401 210.175,38.401 220.019,38.401 220.175,38.401 222.019,38.401 222.175,38.401 238.019,38.401 244.019,38.401 245.267,38.401 253.267,38.401 254.019,38.401 255.267,38.401 256.019,38.401 292.297,38.401 294.297,38.401 316.4,38.401 330.4,38.401 182.401,40.401 184.401,40.401 186.401,40.401 192.401,40.401 201.075,40.401 211.019,40.401 211.175,40.401 213.019,40.401 213.175,40.401 215.019,40.401 215.175,40.401 217.019,40.401 217.175,40.401 219.019,40.401 219.175,40.401 221.019,40.401 221.175,40.401 223.019,40.401 223.175,40.401 231.019,40.401 252.267,40.401 253.019,40.401 254.267,40.401 255.019,40.401 183.401,42.401 185.401,42.401 191.401,42.401 193.401,42.401 195.401,42.401 214.019,42.401 214.175,42.401 216.019,42.401 216.175,42.401 218.019,42.401 218.175,42.401 220.019,42.401 220.175,42.401 222.019,42.401 222.175,42.401 224.175,42.401 232.019,42.401 238.019,42.401 245.267,42.401 247.267,42.401 249.267,42.401 251.267,42.401 253.267,42.401 255.267,42.401 397.755,42.38 290.396,43.41 292.396,43.41 325.985,44.285 327.985,44.285 182.401,44.401 184.401,44.401 186.401,44.401 188.401,44.401 190.401,44.401 192.401,44.401 194.401,44.401 196.401,44.401 198.401,44.401 200.401,44.401 209.175,44.401 211.175,44.401 213.175,44.401 215.175,44.401 217.175,44.401 219.175,44.401 221.175,44.401 223.175,44.401 232.267,44.401 234.267,44.401 236.267,44.401 238.267,44.401 240.267,44.401 242.267,44.401 246.267,44.401 254.267,44.401 317.4,44.401 319.4,44.401 268.416,44.803 270.416,44.803 281.867,45.41 397.755,46.38 183.401,46.401 185.401,46.401 187.401,46.401 189.401,46.401 191.401,46.401 208.175,46.401 210.175,46.401 212.175,46.401 214.175,46.401 216.175,46.401 218.175,46.401 220.175,46.401 222.175,46.401 233.267,46.401 235.267,46.401 237.267,46.401 239.267,46.401 241.267,46.401 243.267,46.401 245.267,46.401 255.267,46.401 290.396,47.41 208.814,47.445 210.814,47.445 212.814,47.445 216.814,47.445 218.814,47.445 220.814,47.445 222.814,47.445 253.788,47.461 182.401,48.401 184.401,48.401 186.401,48.401 188.401,48.401 190.401,48.401 192.401,48.401 209.175,48.401 211.175,48.401 217.175,48.401 219.175,48.401 221.175,48.401 246.267,48.401 254.267,48.401 209.814,49.445 397.755,50.38 183.401,50.401 185.401,50.401 187.401,50.401 189.401,50.401 218.175,50.401 220.175,50.401 255.267,50.401 360.35,50.591 364.35,50.591 182.401,52.401 184.401,52.401 186.401,52.401 217.175,52.401 223.635,52.449 191.756,53.202 368.811,53.521 397.755,54.38 183.401,54.401 185.401,54.401 187.401,54.401 220.635,54.449 197.159,56.977 199.159,56.977 203.159,56.977 184.455,59.218 397.755,62.38 397.755,66.38 188.717,70.117 397.755,70.38 381.877,72.186 383.877,72.186 385.877,72.186 186.852,73.766 397.755,74.38 385.412,77.567 397.755,78.38 383.097,81.268 196.056,81.868 204.578,85.801 191.285,87.532 393.688,89.591 381.267,92.265 383.267,92.265 385.267,92.265 387.267,92.265 389.267,92.265 391.267,92.265 393.267,92.265 397.688,93.591 397.688,97.591 396.688,99.591 397.688,101.591 394.688,103.591 396.688,103.591 397.688,105.591 397.688,109.591 395.688,113.591 397.688,113.591 396.688,115.591 396.196,117.22 395.688,117.591 397.688,117.591 395.196,119.22 393.139,122.044 394.139,124.044 393.808,124.658 395.808,124.658 397.688,125.591 393.139,126.044 394.808,126.658 394.139,128.044 393.808,128.658 395.808,128.658 397.688,129.591 392.808,130.658 382.931,130.774 389.808,132.658 391.808,132.658 393.808,132.658 383.931,132.774 385.931,132.774 387.931,132.774 389.931,132.774 391.931,132.774 393.931,132.774 397.688,133.591 388.808,134.658 390.808,134.658 392.808,134.658 394.808,134.658 384.931,134.774 386.931,134.774 388.931,134.774 390.931,134.774 392.931,134.774 385.808,136.658 387.808,136.658 389.808,136.658 391.808,136.658 393.808,136.658 395.808,136.658 385.931,136.774 387.931,136.774 389.931,136.774 391.931,136.774 393.931,136.774 397.688,137.591 392.808,138.658 394.808,138.658 392.931,138.774 385.808,140.658 393.808,140.658 395.808,140.658 393.931,140.774 397.688,141.591 386.808,142.658 388.808,142.658 390.808,142.658 392.808,142.658 394.808,142.658 382.931,142.774 384.931,142.774 386.931,142.774 388.931,142.774 390.931,142.774 392.931,142.774 197.038,143.406 385.808,144.658 387.808,144.658 389.808,144.658 391.808,144.658 393.808,144.658 395.808,144.658 383.931,144.774 385.931,144.774 387.931,144.774 389.931,144.774 391.931,144.774 393.931,144.774 397.688,145.591 386.808,146.658 388.808,146.658 390.808,146.658 392.808,146.658 394.808,146.658 382.931,146.774 384.931,146.774 386.931,146.774 388.931,146.774 390.931,146.774 392.931,146.774 196.906,147.368 385.808,148.658 387.808,148.658 389.808,148.658 391.808,148.658 393.808,148.658 395.808,148.658 383.931,148.774 385.931,148.774 387.931,148.774 389.931,148.774 391.931,148.774 393.931,148.774 397.688,149.591 274.897,149.812 386.808,150.658 388.808,150.658 390.808,150.658 392.808,150.658 394.808,150.658 382.931,150.774 384.931,150.774 386.931,150.774 388.931,150.774 390.931,150.774 392.931,150.774 385.808,152.658 387.808,152.658 389.808,152.658 391.808,152.658 393.808,152.658 395.808,152.658 383.931,152.774 385.931,152.774 387.931,152.774 389.931,152.774 391.931,152.774 397.688,153.591 201.676,153.758 192.441,153.821 386.808,154.658 388.808,154.658 390.808,154.658 392.808,154.658 394.808,154.658 382.931,154.774 384.931,154.774 386.931,154.774 388.931,154.774 394.688,155.591 396.688,155.591 193.441,155.821 385.808,156.658 387.808,156.658 389.808,156.658 391.808,156.658 393.808,156.658 395.808,156.658 383.931,156.774 385.931,156.774 387.931,156.774 183.401,157.168 393.688,157.591 395.688,157.591 397.688,157.591 183.668,157.766 185.668,157.766 199.676,157.758 201.676,157.758 200.8,158.488 386.808,158.658 388.808,158.658 390.808,158.658 392.808,158.658 394.808,158.658 382.931,158.774 384.931,158.774 182.401,159.168 184.401,159.168 390.688,159.591 392.688,159.591 394.688,159.591 396.688,159.591 184.668,159.766 186.668,159.766 194.865,160.552 385.808,160.658 387.808,160.658 389.808,160.658 391.808,160.658 393.808,160.658 395.808,160.658 383.931,160.774 389.688,161.591 391.688,161.591 393.688,161.591 395.688,161.591 397.688,161.591 183.668,161.766 185.668,161.766 386.808,162.658 388.808,162.658 390.808,162.658 392.808,162.658 394.808,162.658 382.931,162.774 388.688,163.591 390.688,163.591 392.688,163.591 394.688,163.591 396.688,163.591 184.668,163.766 186.668,163.766 198.676,163.758 194.865,164.552 385.808,164.658 387.808,164.658 389.808,164.658 391.808,164.658 393.808,164.658 395.808,164.658 387.688,165.591 389.688,165.591 391.688,165.591 393.688,165.591 395.688,165.591 397.688,165.591 183.668,165.766 185.668,165.766 185.865,166.552 193.865,166.552 386.808,166.658 388.808,166.658 390.808,166.658 392.808,166.658 394.808,166.658 382.931,166.774 388.688,167.591 390.688,167.591 392.688,167.591 394.688,167.591 396.688,167.591 184.668,167.766 192.668,167.766 198.676,167.758 184.865,168.552 192.865,168.552 194.865,168.552 385.808,168.658 387.808,168.658 389.808,168.658 391.808,168.658 393.808,168.658 395.808,168.658 387.688,169.591 389.688,169.591 391.688,169.591 393.688,169.591 395.688,169.591 397.688,169.591 199.676,169.758 183.668,169.766 185.668,169.766 191.668,169.766 185.865,170.552 187.865,170.552 189.865,170.552 191.865,170.552 193.865,170.552 386.808,170.658 388.808,170.658 390.808,170.658 392.808,170.658 394.808,170.658 382.931,170.774 388.688,171.591 390.688,171.591 392.688,171.591 394.688,171.591 396.688,171.591 184.668,171.766 190.668,171.766 192.668,171.766 198.676,171.758 184.865,172.552 192.865,172.552 194.865,172.552 387.808,172.658 393.808,172.658 395.808,172.658 387.688,173.591 395.688,173.591 397.688,173.591 183.668,173.766 185.668,173.766 191.668,173.766 185.865,174.552 193.865,174.552 386.808,174.658 388.808,174.658 394.688,175.591 396.688,175.591 184.668,175.766 186.668,175.766 184.865,176.552 186.865,176.552 194.865,176.552 196.865,176.552 385.808,176.658 393.688,177.591 395.688,177.591 397.688,177.591 183.668,177.766 185.668,177.766 393.265,177.877 395.265,177.877 397.265,177.877 185.865,178.552 187.865,178.552 195.865,178.552 197.865,178.552 199.865,178.552 394.688,179.591 396.688,179.591 184.668,179.766 394.265,179.877 396.265,179.877 184.865,180.552 186.865,180.552 194.865,180.552 196.865,180.552 198.865,180.552 393.688,181.591 395.688,181.591 397.688,181.591 183.668,181.766 393.265,181.877 395.265,181.877 397.265,181.877 185.865,182.552 187.865,182.552 195.865,182.552 197.865,182.552 199.865,182.552 392.688,183.591 394.688,183.591 396.688,183.591 380.868,183.73 392.265,183.877 394.265,183.877 396.265,183.877 184.865,184.552 194.865,184.552 196.865,184.552 198.865,184.552 191.665,185.316 393.688,185.591 395.688,185.591 397.688,185.591 381.868,185.73 389.265,185.877 395.265,185.877 397.265,185.877 191.865,186.552 193.865,186.552 195.865,186.552 197.865,186.552 199.865,186.552 394.688,187.591 396.688,187.591 380.868,187.73 382.868,187.73 388.265,187.877 394.265,187.877 396.265,187.877 184.865,188.552 186.865,188.552 190.865,188.552 192.865,188.552 194.865,188.552 196.865,188.552 198.865,188.552 187.665,189.316 189.665,189.316 191.665,189.316 395.688,189.591 397.688,189.591 381.868,189.73 389.265,189.877 393.265,189.877 395.265,189.877 185.865,190.552 191.865,190.552 193.865,190.552 195.865,190.552 197.865,190.552 199.865,190.552 380.868,191.73 184.865,192.552 194.865,192.552 196.865,192.552 198.865,192.552 191.665,193.316 396.865,193.982 394.601,194.373 185.865,194.552 193.865,194.552 195.865,194.552 197.865,194.552 199.865,194.552 395.865,195.982 397.865,195.982 395.601,196.373 184.865,196.552 186.865,196.552 194.865,196.552 196.865,196.552 198.865,196.552 394.865,197.982 396.865,197.982 396.601,198.373 185.865,198.552 195.865,198.552 197.865,198.552 199.865,198.552 386.67,198.718 393.865,199.982 395.865,199.982 397.865,199.982 395.601,200.373 184.865,200.552 186.865,200.552 194.865,200.552 196.865,200.552 198.865,200.552 394.865,201.982 396.865,201.982 396.601,202.373 185.865,202.552 193.865,202.552 195.865,202.552 197.865,202.552 199.865,202.552 393.865,203.982 395.865,203.982 397.865,203.982 395.601,204.373 184.865,204.552 194.865,204.552 196.865,204.552 198.865,204.552 394.865,205.982 396.865,205.982 396.601,206.373 386.52,206.417 185.865,206.552 191.865,206.552 193.865,206.552 195.865,206.552 197.865,206.552 199.865,206.552 389.865,207.982 393.865,207.982 395.865,207.982 397.865,207.982 387.52,208.417 184.865,208.552 192.865,208.552 194.865,208.552 196.865,208.552 198.865,208.552 386.52,210.417 388.52,210.417 191.865,210.552 193.865,210.552 195.865,210.552 197.865,210.552 199.865,210.552 191.905,211.816 395.865,211.982 397.865,211.982 184.865,212.552 194.865,212.552 196.865,212.552 198.865,212.552 392.865,213.982 394.865,213.982 396.865,213.982 386.52,214.417 195.865,214.552 197.865,214.552 199.865,214.552 397.865,215.982 194.865,216.552 196.865,216.552 198.865,216.552 386.52,218.417 195.865,218.552 197.865,218.552 199.865,218.552 194.865,220.552 196.865,220.552 198.865,220.552 185.729,221.532 191.881,222.316 193.865,222.552 195.865,222.552 197.865,222.552 199.865,222.552 264.466,222.794 197.411,223.297 194.865,224.552 196.865,224.552 196.411,225.297 198.411,225.297 394.601,226.373 396.601,226.373 183.401,227.307 182.401,229.307 184.401,229.307 183.401,231.307 185.401,231.307 280.087,232.265 286.087,232.265 288.087,232.265 182.401,233.307 184.401,233.307 285.087,234.265 287.087,234.265 289.087,234.265 291.087,234.265 276.306,234.405 183.401,235.307 185.401,235.307 288.087,236.265 290.087,236.265 275.306,236.405 182.401,237.307 184.401,237.307 276.306,238.405 183.401,239.307 185.401,239.307 280.355,239.824 182.401,241.307 184.401,241.307 281.355,241.824 268.005,242.304 273.614,242.451 183.401,243.307 185.401,243.307 198.132,244.302 396.267,244.623 189.065,244.986 182.401,245.307 184.401,245.307 186.401,245.307 192.401,245.307 207.676,246.38 273.614,246.451 211.757,246.927 183.401,247.307 185.401,247.307 191.401,247.307 193.401,247.307 280.355,247.824 396.267,248.623 191.065,248.986 182.401,249.307 184.401,249.307 395.267,250.623 199.822,251.282 183.401,251.307 185.401,251.307 187.401,251.307 334.355,251.474 274.614,252.451 394.267,252.623 182.401,253.307 184.401,253.307 186.401,253.307 211.757,253.718 272.909,254.781 343.383,254.799 183.401,255.307 185.401,255.307 187.401,255.307 270.727,255.832 282.285,256.027 334.329,256.438 340.69,256.651 271.909,256.781 182.401,257.307 184.401,257.307 186.401,257.307 324.99,257.806 216.871,258.49 339.69,258.651 328.9,259.156 183.401,259.307 185.401,259.307 284.285,260.027 286.285,260.027 288.285,260.027 290.285,260.027 224.145,260.311 191.714,261.09 319.9,261.156 321.9,261.156 323.9,261.156 325.9,261.156 327.9,261.156 182.401,261.307 253.615,261.881 309.607,262.806 396.967,262.967 185.401,263.307 187.401,263.307 189.401,263.307 191.401,263.307 193.401,263.307 195.401,263.307 185.256,263.402 398.407,263.407

## Polygon pours and split planes (outlines as drawn)
no net on TOP "TOP-No Net" (solid, shelved, pour order 6576): 250.88,46.28 ccw(c249.06,46.28) 249.06,48.1 ccw(c249.06,46.28) 247.24,46.28 ccw(c249.06,46.28) 249.06,44.46 ccw(c249.06,46.28) 250.88,46.28
VPWR on TOP "TOP-VPWR" (solid, pour order 6578): 92 vertices, not listed, extent 263.117,47.181 266.743,50.439
VPWR on TOP "TOP-VPWR 1" (solid, shelved, pour order 6580): 80 vertices, not listed, extent 227.696,51.121 231.336,54.761
VPWR on TOP "TOP-VPWR 2" (solid, pour order 6582): 196 vertices, not listed, extent 318.846,35.251 322.164,38.869
VPWR on TOP "TOP-VPWR 3" (solid, pour order 6584): 196 vertices, not listed, extent 282.846,35.251 286.164,38.869
VPWR on TOP "TOP-VPWR 4" (solid, pour order 6586): 196 vertices, not listed, extent 211.846,35.251 215.164,38.869
no net on TOP "TOP-No Net 1" (solid, shelved, pour order 6588): 302.335,52.94 ccw(c300.515,52.94) 300.515,54.76 ccw(c300.515,52.94) 298.695,52.94 ccw(c300.515,52.94) 300.515,51.12 ccw(c300.515,52.94) 302.335,52.94
no net on TOP "TOP-No Net 2" (solid, shelved, pour order 6590): 338.325,52.94 ccw(c336.515,52.94) 336.515,54.75 ccw(c336.515,52.94) 334.705,52.94 ccw(c336.515,52.94) 336.515,51.13 ccw(c336.515,52.94) 338.325,52.94
VPWR on TOP "TOP-VPWR 5" (solid, shelved, pour order 6592): 75 vertices, not listed, extent 371.155,51.08 374.875,54.8
VPWR on TOP "TOP-VPWR 6" (solid, pour order 6594): 196 vertices, not listed, extent 355.345,35.25 358.661,38.87
no net on TOP "TOP-No Net 3" (solid, shelved, pour order 6610): 263.57,38.65 ccw(c261.76,38.65) 261.76,40.46 ccw(c261.76,38.65) 259.95,38.65 ccw(c261.76,38.65) 261.76,36.84 ccw(c261.76,38.65) 263.57,38.65
no net on TOP "TOP-No Net 4" (solid, pour order 6628): 338.329,37.09 ccw(c336.515,37.09) 336.515,38.904 ccw(c336.515,37.09) 334.701,37.09 ccw(c336.515,37.09) 336.515,35.276 ccw(c336.515,37.09) 338.329,37.09
no net on TOP "TOP-No Net 5" (solid, pour order 6640): 374.83,37.09 ccw(c373.015,37.09) 373.015,38.905 ccw(c373.015,37.09) 371.2,37.09 ccw(c373.015,37.09) 373.015,35.275 ccw(c373.015,37.09) 374.83,37.09
no net on TOP "TOP-No Net 6" (solid, pour order 6648): 302.325,37.09 ccw(c300.515,37.09) 300.515,38.9 ccw(c300.515,37.09) 298.705,37.09 ccw(c300.515,37.09) 300.515,35.28 ccw(c300.515,37.09) 302.325,37.09
no net on TOP "TOP-No Net 7" (solid, pour order 6658): 231.325,37.09 ccw(c229.515,37.09) 229.515,38.9 ccw(c229.515,37.09) 227.705,37.09 ccw(c229.515,37.09) 229.515,35.28 ccw(c229.515,37.09) 231.325,37.09
no net on TOP "TOP-No Net 8" (solid, shelved, pour order 6686): 250.87,38.65 ccw(c249.06,38.65) 249.06,40.46 ccw(c249.06,38.65) 247.25,38.65 ccw(c249.06,38.65) 249.06,36.84 ccw(c249.06,38.65) 250.87,38.65
GND on TOP "TOP-GND" (solid, pour order 6688): 92 vertices, not listed, extent 263.115,39.559 266.745,42.821
no net on TOP "TOP-No Net 9" (solid, pour order 6690): 362.139,37.06 ccw(c360.325,37.06) 360.325,38.874 ccw(c360.325,37.06) 358.511,37.06 ccw(c360.325,37.06) 360.325,35.246 ccw(c360.325,37.06) 362.139,37.06
GND on TOP "TOP-GND 1" (solid, pour order 6692): 196 vertices, not listed, extent 331.523,35.238 334.868,38.882
no net on TOP "TOP-No Net 10" (solid, pour order 6694): 325.635,37.06 ccw(c323.825,37.06) 323.825,38.87 ccw(c323.825,37.06) 322.015,37.06 ccw(c323.825,37.06) 323.825,35.25 ccw(c323.825,37.06) 325.635,37.06
no net on TOP "TOP-No Net 11" (solid, pour order 6696): 289.635,37.06 ccw(c287.825,37.06) 287.825,38.87 ccw(c287.825,37.06) 286.015,37.06 ccw(c287.825,37.06) 287.825,35.25 ccw(c287.825,37.06) 289.635,37.06
no net on TOP "TOP-No Net 12" (solid, pour order 6698): 218.635,37.06 ccw(c216.825,37.06) 216.825,38.87 ccw(c216.825,37.06) 215.015,37.06 ccw(c216.825,37.06) 216.825,35.25 ccw(c216.825,37.06) 218.635,37.06
GND on TOP "TOP-GND 2" (solid, pour order 6700): 196 vertices, not listed, extent 295.536,35.251 298.863,38.869
GND on TOP "TOP-GND 3" (solid, pour order 6702): 196 vertices, not listed, extent 224.536,35.251 227.863,38.869
GND on TOP "TOP-GND 4" (solid, pour order 6704): 196 vertices, not listed, extent 368.032,35.247 371.362,38.873
no net on Top Overlay " " (solid, shelved): 44 vertices, not listed, extent 204.224,239.971 205.461,240.912
no net on Top Overlay " " (solid, shelved): 66 vertices, not listed, extent 199.405,239.049 200.798,240.636
no net on Top Overlay " " (solid, shelved): 30 vertices, not listed, extent 213.739,241.915 214.506,242.551
no net on Top Overlay " " (solid, shelved): 50 vertices, not listed, extent 213.707,243.424 215.56,244.177
no net on Top Overlay " " (solid, shelved): 46 vertices, not listed, extent 213.739,248.962 214.468,249.639
no net on Top Overlay " " (solid, shelved): 36 vertices, not listed, extent 213.729,251.89 215.501,252.624
no net on Top Overlay (solid): 196.5,245.24 196.5,236 206.75,236 217.001,236 217.001,245.24 217.001,254.48 206.75,254.48 196.5,254.48 196.5,245.24
no net on Top Overlay (solid): 359.367,212.971 359.367,211.372 359.71,211.372 360.053,211.372 360.053,212.971 360.053,214.57 359.71,214.57 359.367,214.57 359.367,212.971
no net on Top Overlay (solid): 62 vertices, not listed, extent 356.396,210.138 358.903,214.615
no net on Top Overlay (solid): 184 vertices, not listed, extent 352.959,211.303 355.861,215.754
no net on Top Overlay (solid): 42 vertices, not listed, extent 359.093,214.756 360.233,215.894
no net on Top Overlay " " (solid, shelved): 36 vertices, not listed, extent 374.349,213.291 375.41,213.928
no net on Top Overlay " " (solid, shelved): 34 vertices, not listed, extent 368.926,211.893 369.875,212.909
no net on Top Overlay (solid): 364 vertices, not listed, extent 353.905,201.046 379.018,226.807
no net on PLACE_BOUND_BOTTOM (solid): 200,124 200,126 198,126 198,124 200,124
no net on PLACE_BOUND_BOTTOM (solid): 253,174 253,176 251,176 251,174 253,174
no net on PLACE_BOUND_BOTTOM (solid): 307,45 307,47 305,47 305,45 307,45
no net on PLACE_BOUND_BOTTOM (solid): 201,270.2 201,272.2 199,272.2 199,270.2 201,270.2
no net on PLACE_BOUND_BOTTOM (solid): 253,102 253,104 251,104 251,102 253,102
no net on PLACE_BOUND_BOTTOM (solid): 325,102 325,104 323,104 323,102 325,102
no net on PLACE_BOUND_BOTTOM (solid): 325,174 325,176 323,176 323,174 325,174
no net on PLACE_BOUND_BOTTOM (solid): 381,270.2 381,272.2 379,272.2 379,270.2 381,270.2
no net on PLACE_BOUND_BOTTOM (solid): 194.5,153.5 194.5,156.5 191.5,156.5 191.5,153.5 194.5,153.5
no net on PLACE_BOUND_BOTTOM (solid): 394.5,258.5 394.5,261.5 391.5,261.5 391.5,258.5 394.5,258.5
no net on PLACE_BOUND_BOTTOM (solid): 201.5,26.3 201.5,29.3 198.5,29.3 198.5,26.3 201.5,26.3
no net on PLACE_BOUND_BOTTOM (solid): 205.5,62.5 205.5,65.5 202.5,65.5 202.5,62.5 205.5,62.5
no net on PLACE_BOUND_BOTTOM (solid): 195.703,259.169 195.703,262.169 192.703,262.169 192.703,259.169 195.703,259.169
no net on PLACE_BOUND_BOTTOM (solid): 379.5,42.5 379.5,45.5 376.5,45.5 376.5,42.5 379.5,42.5
no net on PLACE_BOUND_BOTTOM (solid): 198.5,94.5 198.5,97.5 195.5,97.5 195.5,94.5 198.5,94.5

## Text inside footprints (layer, text, board x,y; h text height)
C310: PIN_NUMBER "1" at 274.25,116.48 h0.8 r180; PIN_NUMBER "2" at 274.31,117.63 h0.8 r180
C311: PIN_NUMBER "1" at 298.25,116.48 h0.8 r180; PIN_NUMBER "2" at 298.31,117.63 h0.8 r180
C312: PIN_NUMBER "1" at 322.25,116.48 h0.8 r180; PIN_NUMBER "2" at 322.31,117.63 h0.8 r180
C313: PIN_NUMBER "1" at 346.25,116.48 h0.8 r180; PIN_NUMBER "2" at 346.31,117.63 h0.8 r180
C314: PIN_NUMBER "1" at 370.25,116.48 h0.8 r180; PIN_NUMBER "2" at 370.31,117.63 h0.8 r180
C315: PIN_NUMBER "1" at 185.59,113.11 h0.8 r90; PIN_NUMBER "2" at 186.74,113.05 h0.8 r90
C316: PIN_NUMBER "1" at 188.13,113.89 h0.8 r270; PIN_NUMBER "2" at 186.98,113.95 h0.8 r270
C317: PIN_NUMBER "1" at 225.47,113.52 h0.8; PIN_NUMBER "2" at 225.41,112.37 h0.8
C318: PIN_NUMBER "1" at 249.47,113.52 h0.8; PIN_NUMBER "2" at 249.41,112.37 h0.8
C319: PIN_NUMBER "1" at 273.47,113.52 h0.8; PIN_NUMBER "2" at 273.41,112.37 h0.8
C320: PIN_NUMBER "1" at 297.47,113.52 h0.8; PIN_NUMBER "2" at 297.41,112.37 h0.8
C321: PIN_NUMBER "1" at 321.47,113.52 h0.8; PIN_NUMBER "2" at 321.41,112.37 h0.8
C322: PIN_NUMBER "1" at 345.47,113.52 h0.8; PIN_NUMBER "2" at 345.41,112.37 h0.8
C323: PIN_NUMBER "1" at 369.47,113.52 h0.8; PIN_NUMBER "2" at 369.41,112.37 h0.8
C324: PIN_NUMBER "1" at 226.99,112.9 h0.8; PIN_NUMBER "2" at 226.96,111.1 h0.8
C325: PIN_NUMBER "1" at 250.99,112.9 h0.8; PIN_NUMBER "2" at 250.96,111.1 h0.8
C326: PIN_NUMBER "1" at 274.99,112.9 h0.8; PIN_NUMBER "2" at 274.96,111.1 h0.8
C327: PIN_NUMBER "1" at 298.99,112.9 h0.8; PIN_NUMBER "2" at 298.96,111.1 h0.8
C328: PIN_NUMBER "1" at 322.99,112.9 h0.8; PIN_NUMBER "2" at 322.96,111.1 h0.8
C329: PIN_NUMBER "1" at 346.99,112.9 h0.8; PIN_NUMBER "2" at 346.96,111.1 h0.8
C330: PIN_NUMBER "1" at 370.99,112.9 h0.8; PIN_NUMBER "2" at 370.96,111.1 h0.8
C331: PIN_NUMBER "1" at 187.59,111.11 h0.8 r90; PIN_NUMBER "2" at 188.74,111.05 h0.8 r90
C332: PIN_NUMBER "1" at 187.59,110.11 h0.8 r90; PIN_NUMBER "2" at 188.74,110.05 h0.8 r90
C333: PIN_NUMBER "1" at 228.37,105.65 h0.8 r180; PIN_NUMBER "2" at 228.39,108.85 h0.8 r180
C334: PIN_NUMBER "1" at 252.37,105.65 h0.8 r180; PIN_NUMBER "2" at 252.39,108.85 h0.8 r180
C335: PIN_NUMBER "1" at 276.37,105.65 h0.8 r180; PIN_NUMBER "2" at 276.39,108.85 h0.8 r180
C336: PIN_NUMBER "1" at 300.37,105.65 h0.8 r180; PIN_NUMBER "2" at 300.39,108.85 h0.8 r180
C337: PIN_NUMBER "1" at 324.37,105.65 h0.8 r180; PIN_NUMBER "2" at 324.39,108.85 h0.8 r180
C338: PIN_NUMBER "1" at 348.37,105.65 h0.8 r180; PIN_NUMBER "2" at 348.39,108.85 h0.8 r180
C339: PIN_NUMBER "1" at 372.37,105.65 h0.8 r180; PIN_NUMBER "2" at 372.39,108.85 h0.8 r180
C340: PIN_NUMBER "1" at 189.97,104.77 h0.8; PIN_NUMBER "2" at 189.91,103.62 h0.8
C341: PIN_NUMBER "1" at 197.47,104.77 h0.8; PIN_NUMBER "2" at 197.41,103.62 h0.8
C342: PIN_NUMBER "1" at 226.35,100.35 h0.8; PIN_NUMBER "2" at 226.33,97.15 h0.8
C343: PIN_NUMBER "1" at 250.35,100.35 h0.8; PIN_NUMBER "2" at 250.33,97.15 h0.8
C344: PIN_NUMBER "1" at 274.35,100.35 h0.8; PIN_NUMBER "2" at 274.33,97.15 h0.8
C345: PIN_NUMBER "1" at 298.35,100.35 h0.8; PIN_NUMBER "2" at 298.33,97.15 h0.8
C346: PIN_NUMBER "1" at 322.35,100.35 h0.8; PIN_NUMBER "2" at 322.33,97.15 h0.8